# KiCad board netrazr_rev2.kicad_pcb
title: NetRazr Keyboard; rev: 2; note: Split KB for use in NetRazr Cyberdeck.
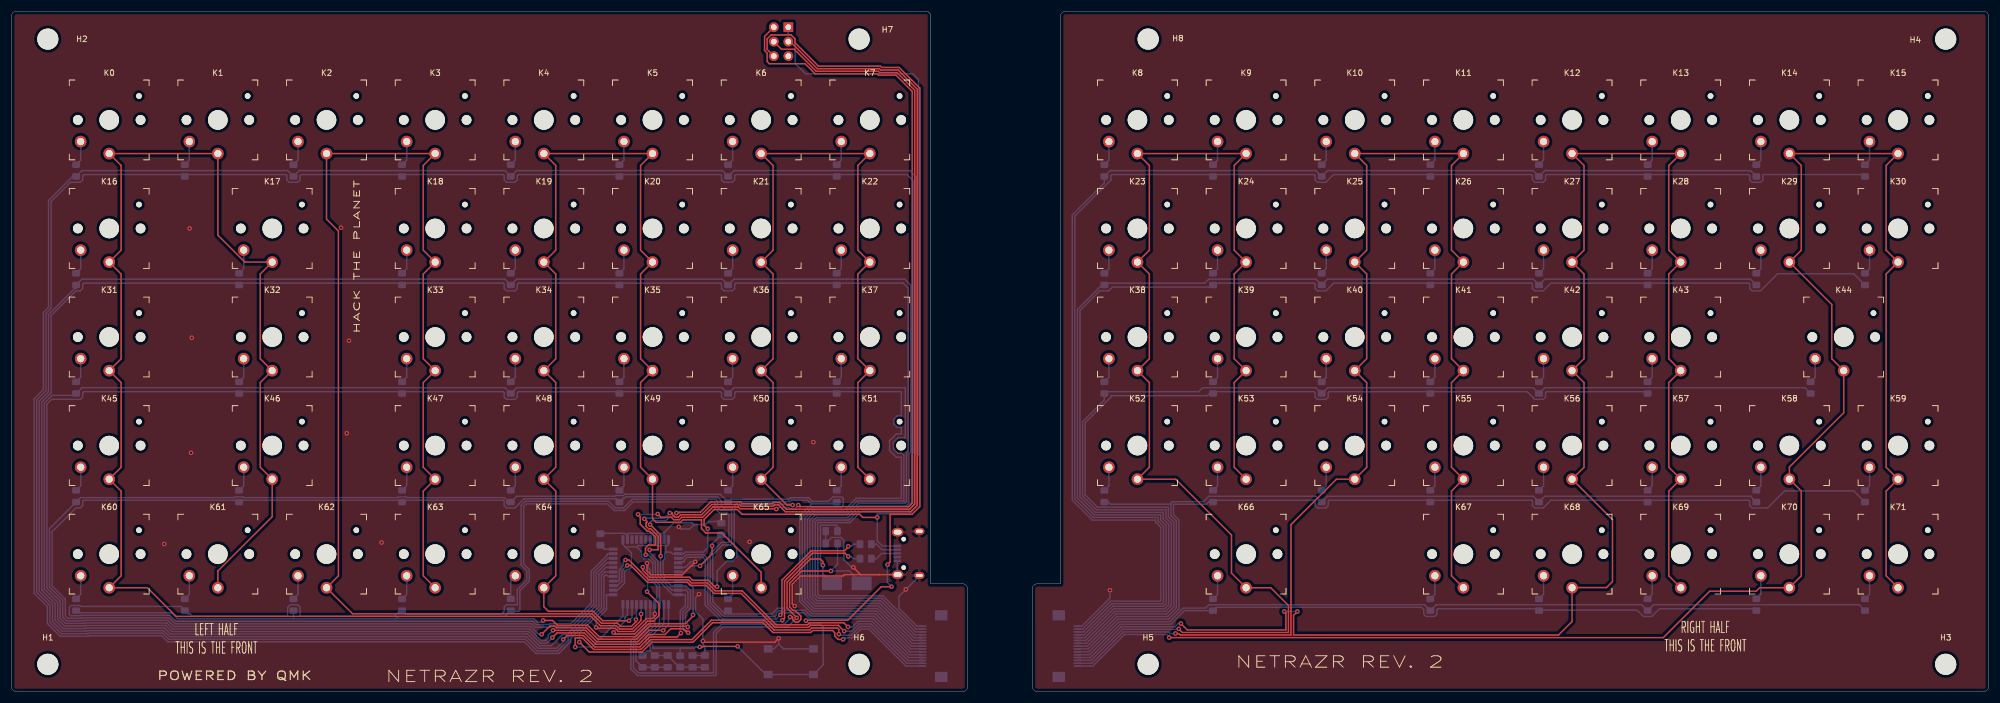
[diagram p0: board, top side]
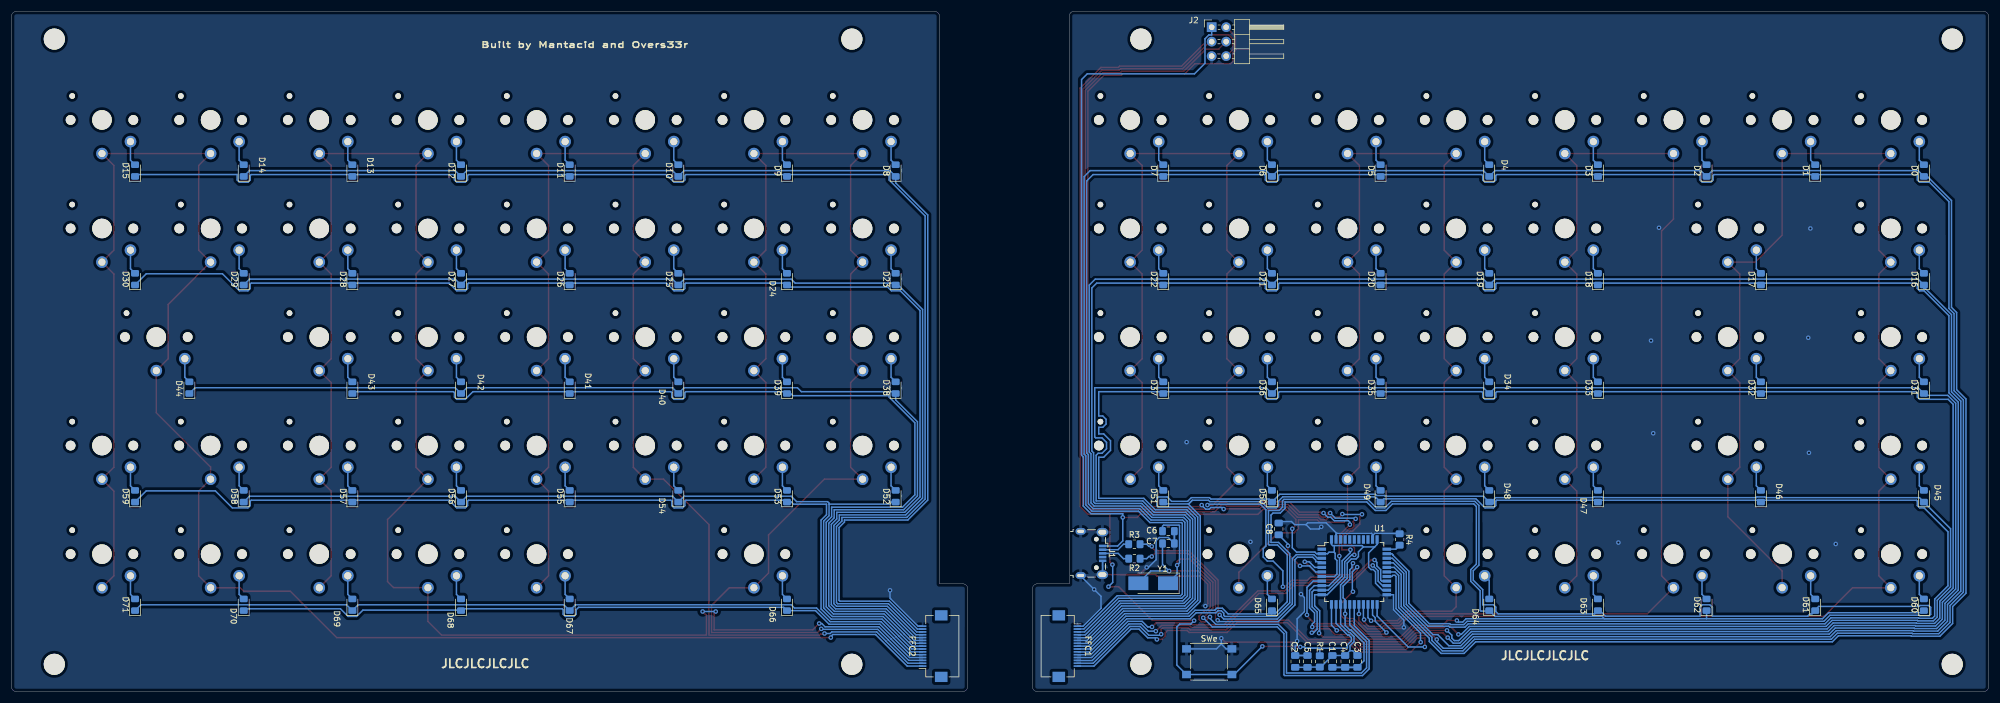
[diagram p1: board, bottom side, seen from below]

Outline 346.64 x 119.38 mm; copper layers: Top, Bottom. Coordinates in mm from the lower left corner of the outline.
Outline path: 0,118.49 0,0.89 arc(0.26,0.26) 0.89,0 166.75,0 arc(167.38,0.26) 167.64,0.89 167.64,18.03 arc(167.38,18.66) 166.75,18.92 161.16,18.92 161.16,118.58 arc(160.93,119.15) 160.37,119.38 0.89,119.38 arc(0.26,119.12) 0,118.49 ; 178.97,18.03 179,0.89 arc(179.26,0.26) 179.89,0 345.75,0 arc(346.38,0.26) 346.64,0.89 346.64,118.49 arc(346.38,119.12) 345.75,119.38 184.81,119.38 arc(184.19,119.12) 183.93,118.49 183.93,18.92 179.86,18.92 arc(179.23,18.66) 178.97,18.03

## Placement (name value [footprint] x y rotation side)
C1  0.1u  [C_0805_2012Metric_Pad1.18x1.45mm_HandSolder]  115.05 5.3 270 bottom
C2  0.1u  [C_0805_2012Metric_Pad1.18x1.45mm_HandSolder]  121.57 5.3 90 bottom
C3  0.1u  [C_0805_2012Metric_Pad1.18x1.45mm_HandSolder]  110.65 5.3 270 bottom
C4  0.1u  [C_0805_2012Metric_Pad1.18x1.45mm_HandSolder]  112.81 5.3 270 bottom
C5  4.7u  [C_0805_2012Metric_Pad1.18x1.45mm_HandSolder]  119.41 5.3 90 bottom
C6  22p  [C_0805_2012Metric_Pad1.18x1.45mm_HandSolder]  143.79 28.16 180 bottom
C7  22p  [C_0805_2012Metric_Pad1.18x1.45mm_HandSolder]  143.79 26 180 bottom
C8  1u  [C_0805_2012Metric_Pad1.18x1.45mm_HandSolder]  124.45 28.55 90 bottom
D0  D  [D_0805_2012Metric_Pad1.15x1.40mm_HandSolder]  11.35 91.44 90 bottom
D1  D  [D_0805_2012Metric_Pad1.15x1.40mm_HandSolder]  30.39 91.44 90 bottom
D2  D  [D_0805_2012Metric_Pad1.15x1.40mm_HandSolder]  49.45 91.44 90 bottom
D3  D  [D_0805_2012Metric_Pad1.15x1.40mm_HandSolder]  68.5 91.44 90 bottom
D4  D  [D_0805_2012Metric_Pad1.15x1.40mm_HandSolder]  87.55 91.44 90 bottom
D5  D  [D_0805_2012Metric_Pad1.15x1.40mm_HandSolder]  106.6 91.44 90 bottom
D6  D  [D_0805_2012Metric_Pad1.15x1.40mm_HandSolder]  125.64 91.44 90 bottom
D7  D  [D_0805_2012Metric_Pad1.15x1.40mm_HandSolder]  144.69 91.44 90 bottom
D8  D  [D_0805_2012Metric_Pad1.15x1.40mm_HandSolder]  191.62 91.44 90 bottom
D9  D  [D_0805_2012Metric_Pad1.15x1.40mm_HandSolder]  210.67 91.44 90 bottom
D10  D  [D_0805_2012Metric_Pad1.15x1.40mm_HandSolder]  229.71 91.44 90 bottom
D11  D  [D_0805_2012Metric_Pad1.15x1.40mm_HandSolder]  248.76 91.44 90 bottom
D12  D  [D_0805_2012Metric_Pad1.15x1.40mm_HandSolder]  267.81 91.44 90 bottom
D13  D  [D_0805_2012Metric_Pad1.15x1.40mm_HandSolder]  286.87 91.44 90 bottom
D14  D  [D_0805_2012Metric_Pad1.15x1.40mm_HandSolder]  305.91 91.44 90 bottom
D15  D  [D_0805_2012Metric_Pad1.15x1.40mm_HandSolder]  324.96 91.44 90 bottom
D16  D  [D_0805_2012Metric_Pad1.15x1.40mm_HandSolder]  11.35 72.39 90 bottom
D17  D  [D_0805_2012Metric_Pad1.15x1.40mm_HandSolder]  39.92 72.39 90 bottom
D18  D  [D_0805_2012Metric_Pad1.15x1.40mm_HandSolder]  68.5 72.39 90 bottom
D19  D  [D_0805_2012Metric_Pad1.15x1.40mm_HandSolder]  87.55 72.39 90 bottom
D20  D  [D_0805_2012Metric_Pad1.15x1.40mm_HandSolder]  106.6 72.39 90 bottom
D21  D  [D_0805_2012Metric_Pad1.15x1.40mm_HandSolder]  125.64 72.39 90 bottom
D22  D  [D_0805_2012Metric_Pad1.15x1.40mm_HandSolder]  144.69 72.39 90 bottom
D23  D  [D_0805_2012Metric_Pad1.15x1.40mm_HandSolder]  191.62 72.39 90 bottom
D24  D  [D_0805_2012Metric_Pad1.15x1.40mm_HandSolder]  210.67 72.39 90 bottom
D25  D  [D_0805_2012Metric_Pad1.15x1.40mm_HandSolder]  229.71 72.39 90 bottom
D26  D  [D_0805_2012Metric_Pad1.15x1.40mm_HandSolder]  248.76 72.39 90 bottom
D27  D  [D_0805_2012Metric_Pad1.15x1.40mm_HandSolder]  267.81 72.39 90 bottom
D28  D  [D_0805_2012Metric_Pad1.15x1.40mm_HandSolder]  286.87 72.39 90 bottom
D29  D  [D_0805_2012Metric_Pad1.15x1.40mm_HandSolder]  305.91 72.39 90 bottom
D30  D  [D_0805_2012Metric_Pad1.15x1.40mm_HandSolder]  324.96 72.39 90 bottom
D31  D  [D_0805_2012Metric_Pad1.15x1.40mm_HandSolder]  11.35 53.34 90 bottom
D32  D  [D_0805_2012Metric_Pad1.15x1.40mm_HandSolder]  39.92 53.34 90 bottom
D33  D  [D_0805_2012Metric_Pad1.15x1.40mm_HandSolder]  68.5 53.34 90 bottom
D34  D  [D_0805_2012Metric_Pad1.15x1.40mm_HandSolder]  87.55 53.34 90 bottom
D35  D  [D_0805_2012Metric_Pad1.15x1.40mm_HandSolder]  106.6 53.34 90 bottom
D36  D  [D_0805_2012Metric_Pad1.15x1.40mm_HandSolder]  125.64 53.34 90 bottom
D37  D  [D_0805_2012Metric_Pad1.15x1.40mm_HandSolder]  144.69 53.34 90 bottom
D38  D  [D_0805_2012Metric_Pad1.15x1.40mm_HandSolder]  191.62 53.34 90 bottom
D39  D  [D_0805_2012Metric_Pad1.15x1.40mm_HandSolder]  210.67 53.34 90 bottom
D40  D  [D_0805_2012Metric_Pad1.15x1.40mm_HandSolder]  229.71 53.34 90 bottom
D41  D  [D_0805_2012Metric_Pad1.15x1.40mm_HandSolder]  248.76 53.34 90 bottom
D42  D  [D_0805_2012Metric_Pad1.15x1.40mm_HandSolder]  267.81 53.34 90 bottom
D43  D  [D_0805_2012Metric_Pad1.15x1.40mm_HandSolder]  286.87 53.34 90 bottom
D44  D  [D_0805_2012Metric_Pad1.15x1.40mm_HandSolder]  315.44 53.34 90 bottom
D45  D  [D_0805_2012Metric_Pad1.15x1.40mm_HandSolder]  11.35 34.29 90 bottom
D46  D  [D_0805_2012Metric_Pad1.15x1.40mm_HandSolder]  39.92 34.29 90 bottom
D47  D  [D_0805_2012Metric_Pad1.15x1.40mm_HandSolder]  68.5 34.29 90 bottom
D48  D  [D_0805_2012Metric_Pad1.15x1.40mm_HandSolder]  87.55 34.29 90 bottom
D49  D  [D_0805_2012Metric_Pad1.15x1.40mm_HandSolder]  106.6 34.29 90 bottom
D50  D  [D_0805_2012Metric_Pad1.15x1.40mm_HandSolder]  125.64 34.29 90 bottom
D51  D  [D_0805_2012Metric_Pad1.15x1.40mm_HandSolder]  144.69 34.29 90 bottom
D52  D  [D_0805_2012Metric_Pad1.15x1.40mm_HandSolder]  191.62 34.29 90 bottom
D53  D  [D_0805_2012Metric_Pad1.15x1.40mm_HandSolder]  210.67 34.29 90 bottom
D54  D  [D_0805_2012Metric_Pad1.15x1.40mm_HandSolder]  229.71 34.29 90 bottom
D55  D  [D_0805_2012Metric_Pad1.15x1.40mm_HandSolder]  248.76 34.29 90 bottom
D56  D  [D_0805_2012Metric_Pad1.15x1.40mm_HandSolder]  267.81 34.29 90 bottom
D57  D  [D_0805_2012Metric_Pad1.15x1.40mm_HandSolder]  286.87 34.29 90 bottom
D58  D  [D_0805_2012Metric_Pad1.15x1.40mm_HandSolder]  305.91 34.29 90 bottom
D59  D  [D_0805_2012Metric_Pad1.15x1.40mm_HandSolder]  324.96 34.29 90 bottom
D60  D  [D_0805_2012Metric_Pad1.15x1.40mm_HandSolder]  11.35 15.24 90 bottom
D61  D  [D_0805_2012Metric_Pad1.15x1.40mm_HandSolder]  30.39 15.24 90 bottom
D62  D  [D_0805_2012Metric_Pad1.15x1.40mm_HandSolder]  49.45 15.24 90 bottom
D63  D  [D_0805_2012Metric_Pad1.15x1.40mm_HandSolder]  68.5 15.24 90 bottom
D64  D  [D_0805_2012Metric_Pad1.15x1.40mm_HandSolder]  87.55 15.24 90 bottom
D65  D  [D_0805_2012Metric_Pad1.15x1.40mm_HandSolder]  125.64 15.24 90 bottom
D66  D  [D_0805_2012Metric_Pad1.15x1.40mm_HandSolder]  210.67 15.24 90 bottom
D67  D  [D_0805_2012Metric_Pad1.15x1.40mm_HandSolder]  248.76 15.24 90 bottom
D68  D  [D_0805_2012Metric_Pad1.15x1.40mm_HandSolder]  267.81 15.24 90 bottom
D69  D  [D_0805_2012Metric_Pad1.15x1.40mm_HandSolder]  286.87 15.24 90 bottom
D70  D  [D_0805_2012Metric_Pad1.15x1.40mm_HandSolder]  305.91 15.24 90 bottom
D71  D  [D_0805_2012Metric_Pad1.15x1.40mm_HandSolder]  324.96 15.24 90 bottom
FFC1  -  [Hirose_FH12-15S-0.5SH_1x15-1MP_P0.50mm_Horizontal]  161.61 7.98 270 bottom
FFC2  -  [Hirose_FH12-15S-0.5SH_1x15-1MP_P0.50mm_Horizontal]  185.03 7.98 90 bottom
H1  MountingHole  [MountingHole_3.7mm]  6.38 4.79 0 top
H2  MountingHole  [MountingHole_3.7mm]  6.38 114.52 0 top
H3  MountingHole  [MountingHole_3.7mm]  339.12 4.79 0 top
H4  MountingHole  [MountingHole_3.7mm]  339.12 114.52 0 top
H5  MountingHole  [MountingHole_3.7mm]  199.29 4.79 0 top
H6  MountingHole  [MountingHole_3.7mm]  148.62 4.79 0 top
H7  MountingHole  [MountingHole_3.7mm]  148.62 114.52 0 top
H8  MountingHole  [MountingHole_3.7mm]  199.29 114.52 0 top
J1  USB_B_Micro  [USB_Micro-B_Wuerth_629105150521]  157.23 24.26 270 bottom
J2  Conn_02x03_Odd_Even  [PinHeader_2x03_P2.54mm_Horizontal]  136.21 116.61 180 bottom
K0  MACRO,,,,,,1  [SW_PG1350_withKeyCap]  17.15 100.33 0 top
K1  ESC  [SW_PG1350_withKeyCap]  36.2 100.33 0 top
K2  ~~,,,,,,,,,`  [SW_PG1350_withKeyCap]  55.25 100.33 0 top
K3  !,,f1,,,,,,,1  [SW_PG1350_withKeyCap]  74.3 100.33 0 top
K4  @,,f2,,,,,,,2  [SW_PG1350_withKeyCap]  93.35 100.33 0 top
K5  #,,f3,,,,,,,3  [SW_PG1350_withKeyCap]  112.39 100.33 0 top
K6  $,,f4,,,,,,,4  [SW_PG1350_withKeyCap]  131.44 100.33 0 top
K7  %,,f5,,,,,,,5  [SW_PG1350_withKeyCap]  150.5 100.33 0 top
K8  ^,,f6,,,,,,,6  [SW_PG1350_withKeyCap]  197.42 100.33 0 top
K9  &,,f7,,,,,,,7  [SW_PG1350_withKeyCap]  216.46 100.33 0 top
K10  *,,f8,,,,,,,8  [SW_PG1350_withKeyCap]  235.51 100.33 0 top
K11  (,,f9,,,,,,,9  [SW_PG1350_withKeyCap]  254.56 100.33 0 top
K12  ),,f10,,,,,,,0  [SW_PG1350_withKeyCap]  273.62 100.33 0 top
K13  _,,f11,,,,,,,-  [SW_PG1350_withKeyCap]  292.66 100.33 0 top
K14  +,,f12,,,,,,,=  [SW_PG1350_withKeyCap]  311.71 100.33 0 top
K15  BKSP  [SW_PG1350_withKeyCap]  330.76 100.33 0 top
K16  MACRO,,,,,,2  [SW_PG1350_withKeyCap]  17.15 81.28 0 top
K17  TAB  [SW_PG1350_withKeyCap]  45.72 81.28 0 top
K18  Q  [SW_PG1350_withKeyCap]  74.3 81.28 0 top
K19  W  [SW_PG1350_withKeyCap]  93.35 81.28 0 top
K20  E  [SW_PG1350_withKeyCap]  112.39 81.28 0 top
K21  R  [SW_PG1350_withKeyCap]  131.44 81.28 0 top
K22  T  [SW_PG1350_withKeyCap]  150.5 81.28 0 top
K23  Y  [SW_PG1350_withKeyCap]  197.42 81.28 0 top
K24  U  [SW_PG1350_withKeyCap]  216.46 81.28 0 top
K25  I  [SW_PG1350_withKeyCap]  235.51 81.28 0 top
K26  O  [SW_PG1350_withKeyCap]  254.56 81.28 0 top
K27  P  [SW_PG1350_withKeyCap]  273.62 81.28 0 top
K28  {,,,,,,,,,[}  [SW_PG1350_withKeyCap]  292.66 81.28 0 top
K29  },,,,,,,,,]  [SW_PG1350_withKeyCap]  311.71 81.28 0 top
K30  |,,,,,,,,,\  [SW_PG1350_withKeyCap]  330.76 81.28 0 top
K31  MACRO,,,,,,3  [SW_PG1350_withKeyCap]  17.15 62.23 0 top
K32  CAPS  [SW_PG1350_withKeyCap]  45.72 62.23 0 top
K33  A  [SW_PG1350_withKeyCap]  74.3 62.23 0 top
K34  S  [SW_PG1350_withKeyCap]  93.35 62.23 0 top
K35  D  [SW_PG1350_withKeyCap]  112.39 62.23 0 top
K36  F  [SW_PG1350_withKeyCap]  131.44 62.23 0 top
K37  G  [SW_PG1350_withKeyCap]  150.5 62.23 0 top
K38  H  [SW_PG1350_withKeyCap]  197.42 62.23 0 top
K39  J  [SW_PG1350_withKeyCap]  216.46 62.23 0 top
K40  K  [SW_PG1350_withKeyCap]  235.51 62.23 0 top
K41  L  [SW_PG1350_withKeyCap]  254.56 62.23 0 top
K42  :,,,,,,,,,;  [SW_PG1350_withKeyCap]  273.62 62.23 0 top
K43  ",,,,,,,,,'  [SW_PG1350_withKeyCap]  292.66 62.23 0 top
K44  ,,ENTER  [SW_PG1350_withKeyCap]  321.24 62.23 0 top
K45  MACRO,,,,,,4  [SW_PG1350_withKeyCap]  17.15 43.18 0 top
K46  LSHIFT  [SW_PG1350_withKeyCap]  45.72 43.18 0 top
K47  Z  [SW_PG1350_withKeyCap]  74.3 43.18 0 top
K48  X  [SW_PG1350_withKeyCap]  93.35 43.18 0 top
K49  C  [SW_PG1350_withKeyCap]  112.39 43.18 0 top
K50  V  [SW_PG1350_withKeyCap]  131.44 43.18 0 top
K51  B  [SW_PG1350_withKeyCap]  150.5 43.18 0 top
K52  N  [SW_PG1350_withKeyCap]  197.42 43.18 0 top
K53  M  [SW_PG1350_withKeyCap]  216.46 43.18 0 top
K54  <,,,,,,,,,,  [SW_PG1350_withKeyCap]  235.51 43.18 0 top
K55  >,,,,,,,,,.  [SW_PG1350_withKeyCap]  254.56 43.18 0 top
K56  ?,,,,,,,,,/  [SW_PG1350_withKeyCap]  273.62 43.18 0 top
K57  RSHIFT  [SW_PG1350_withKeyCap]  292.66 43.18 0 top
K58  UP  [SW_PG1350_withKeyCap]  311.71 43.18 0 top
K59  DEL  [SW_PG1350_withKeyCap]  330.76 43.18 0 top
K60  MACRO,,,,,,5  [SW_PG1350_withKeyCap]  17.15 24.13 0 top
K61  LCTRL  [SW_PG1350_withKeyCap]  36.2 24.13 0 top
K62  FN  [SW_PG1350_withKeyCap]  55.25 24.13 0 top
K63  META  [SW_PG1350_withKeyCap]  74.3 24.13 0 top
K64  LALT  [SW_PG1350_withKeyCap]  93.35 24.13 0 top
K65  LSPACE  [SW_PG1350_withKeyCap]  131.44 24.13 0 top
K66  RSPACE  [SW_PG1350_withKeyCap]  216.46 24.13 0 top
K67  RALT  [SW_PG1350_withKeyCap]  254.56 24.13 0 top
K68  RCTRL  [SW_PG1350_withKeyCap]  273.62 24.13 0 top
K69  LEFT  [SW_PG1350_withKeyCap]  292.66 24.13 0 top
K70  DOWN  [SW_PG1350_withKeyCap]  311.71 24.13 0 top
K71  RIGHT  [SW_PG1350_withKeyCap]  330.76 24.13 0 top
R1  10k  [R_0805_2012Metric_Pad1.20x1.40mm_HandSolder]  117.25 5.3 270 bottom
R2  22R  [R_0805_2012Metric_Pad1.20x1.40mm_HandSolder]  149.76 23.33 0 bottom
R3  22R  [R_0805_2012Metric_Pad1.20x1.40mm_HandSolder]  149.76 25.87 0 bottom
R4  10k  [R_0805_2012Metric_Pad1.20x1.40mm_HandSolder]  103.26 26.7 270 bottom
SWe  Reset_SW  [SW_Push_1P1T_NO_6x6mm_H9.5mm]  136.64 5.25 180 bottom
U1  ATmega32U4-AU  [TQFP-44_10x10mm_P0.8mm]  111.2 21 180 bottom
Y1  Crystal  [Crystal_SMD_5032-2Pin_5.0x3.2mm_HandSoldering]  146.46 19.01 0 bottom

## Footprints (pads in the part's own frame, mm; a bottom-side part is the same pattern mirrored in y, then rotated)
C_0805_2012Metric_Pad1.18x1.45mm_HandSolder
  rrect 1.175x1.45 smd: 1(-1.038,0) 2(1.038,0)
Crystal_SMD_5032-2Pin_5.0x3.2mm_HandSoldering
  rect 3.5x2.4 smd: 1(-2.6,0) 2(2.6,0)
D_0805_2012Metric_Pad1.15x1.40mm_HandSolder
  rrect 1.15x1.4 smd: 1(-1.025,0) 2(1.025,0)
Hirose_FH12-15S-0.5SH_1x15-1MP_P0.50mm_Horizontal
  rect 0.3x1.3 smd: 1(-3.5,1.85) 2(-3,1.85) 3(-2.5,1.85) 4(-2,1.85) 5(-1.5,1.85) 6(-1,1.85) 7(-0.5,1.85) 8(0,1.85) 9(0.5,1.85) 10(1,1.85) 11(1.5,1.85) 12(2,1.85) 13(2.5,1.85) 14(3,1.85) 15(3.5,1.85)
  rect 1.8x2.2 smd: MP(-5.4,-1.4) MP(5.4,-1.4)
MountingHole_3.7mm
  round 3.7 hole 3.7 unplated: (0,0)
PinHeader_2x03_P2.54mm_Horizontal
  rect 1.7x1.7 hole 1: 1(0,0)
  oval 1.7x1.7 hole 1: 2(2.54,0) 3(0,-2.54) 4(2.54,-2.54) 5(0,-5.08) 6(2.54,-5.08)
R_0805_2012Metric_Pad1.20x1.40mm_HandSolder
  rrect 1.2x1.4 smd: 1(-1,0) 2(1,0)
SW_PG1350_withKeyCap
  round 1.702 hole 1.702 unplated: (-5.5,0) (5.5,0)
  round 3.429 hole 3.429 unplated: (0,0)
  round 0.991 hole 0.991 unplated: (5.22,4.2)
  round 2.032 hole 1.27: 1(0,-5.9) 2(-5,-3.8)
SW_Push_1P1T_NO_6x6mm_H9.5mm
  rect 1.55x1.3 smd: 1(-3.975,2.25) 1(3.975,2.25) 2(-3.975,-2.25) 2(3.975,-2.25)
TQFP-44_10x10mm_P0.8mm
  rect 1.5x0.55 smd: 1(-5.7,4) 2(-5.7,3.2) 3(-5.7,2.4) 4(-5.7,1.6) 5(-5.7,0.8) 6(-5.7,0) 7(-5.7,-0.8) 8(-5.7,-1.6) 9(-5.7,-2.4) 10(-5.7,-3.2) 11(-5.7,-4) 23(5.7,-4) 24(5.7,-3.2) 25(5.7,-2.4) 26(5.7,-1.6) 27(5.7,-0.8) 28(5.7,0) 29(5.7,0.8) 30(5.7,1.6) 31(5.7,2.4) 32(5.7,3.2) 33(5.7,4)
  rect 0.55x1.5 smd: 12(-4,-5.7) 13(-3.2,-5.7) 14(-2.4,-5.7) 15(-1.6,-5.7) 16(-0.8,-5.7) 17(0,-5.7) 18(0.8,-5.7) 19(1.6,-5.7) 20(2.4,-5.7) 21(3.2,-5.7) 22(4,-5.7) 34(4,5.7) 35(3.2,5.7) 36(2.4,5.7) 37(1.6,5.7) 38(0.8,5.7) 39(0,5.7) 40(-0.8,5.7) 41(-1.6,5.7) 42(-2.4,5.7) 43(-3.2,5.7) 44(-4,5.7)
USB_Micro-B_Wuerth_629105150521
  oval 0.8x0.8 hole 0.8 unplated: (-2.5,0.8) (2.5,0.8)
  rect 0.45x1.3 smd: 1(-1.3,1.9) 2(-0.65,1.9) 3(0,1.9) 4(0.65,1.9) 5(1.3,1.9)
  oval 1.15x1.8 hole 0.55x1.2: 6(-3.875,-1.95) 6(3.875,-1.95)
  oval 1.45x2 hole 0.85x1.4: 6(-3.725,1.85) 6(3.725,1.85)

## Nets
GND: C1.2 C2.2 C3.2 C4.2 C5.2 C6.2 C7.2 C8.2 FFC1.1 FFC2.15 J1.5 J1.6 J2.5 R4.1 SWe.1 U1.5 U1.15 U1.23 U1.35 U1.43
VCC: C1.1 C2.1 C3.1 C4.1 C5.1 J1.1 J2.1 R1.2 U1.2 U1.7 U1.14 U1.24 U1.34 U1.44
/Col_0: K0.1 K1.1 K16.1 K17.1 K31.1 K32.1 K45.1 K46.1 K60.1 K61.1 U1.18
/Col_1: K2.1 K3.1 K18.1 K33.1 K47.1 K62.1 K63.1 U1.19
/Col_2: K4.1 K5.1 K19.1 K20.1 K34.1 K35.1 K48.1 K49.1 K64.1 K65.1 U1.20
/Col_3: K6.1 K7.1 K21.1 K22.1 K36.1 K37.1 K50.1 K51.1 U1.21
/Col_4: FFC1.13 FFC2.3 K8.1 K9.1 K23.1 K24.1 K38.1 K39.1 K52.1 K53.1 K66.1 U1.25
/Col_5: FFC1.14 FFC2.2 K10.1 K11.1 K25.1 K26.1 K40.1 K41.1 K54.1 K55.1 K67.1 U1.22
/Col_6: FFC1.12 FFC2.4 K12.1 K13.1 K27.1 K28.1 K42.1 K43.1 K56.1 K57.1 K68.1 K69.1 U1.26
/Col_7: FFC1.15 FFC2.1 K14.1 K15.1 K29.1 K30.1 K44.1 K58.1 K59.1 K70.1 K71.1 U1.27
/Reset: J2.6 R1.1 SWe.2 U1.13
/Row_0: D60.1 D62.1 D64.1 D66.1 D68.1 D70.1 FFC1.11 FFC2.5 U1.8
/Row_1: D45.1 D48.1 D50.1 D52.1 D54.1 D56.1 D58.1 FFC1.8 FFC2.8 J2.4 U1.9
/Row_2: D31.1 D34.1 D36.1 D38.1 D40.1 D42.1 D44.1 FFC1.6 FFC2.10 J2.3 U1.10
/Row_3: D16.1 D19.1 D21.1 D23.1 D25.1 D27.1 D29.1 FFC1.4 FFC2.12 J2.2 U1.11
/Row_4: D0.1 D2.1 D4.1 D6.1 D8.1 D10.1 D12.1 D14.1 FFC1.2 FFC2.14 U1.28
/Row_5: D1.1 D3.1 D5.1 D7.1 D9.1 D11.1 D13.1 D15.1 FFC1.3 FFC2.13 U1.29
/Row_6: D17.1 D18.1 D20.1 D22.1 D24.1 D26.1 D28.1 D30.1 FFC1.5 FFC2.11 U1.30
/Row_7: D32.1 D33.1 D35.1 D37.1 D39.1 D41.1 D43.1 FFC1.7 FFC2.9 U1.12
/Row_8: D46.1 D47.1 D49.1 D51.1 D53.1 D55.1 D57.1 D59.1 FFC1.9 FFC2.7 U1.31
/Row_9: D61.1 D63.1 D65.1 D67.1 D69.1 D71.1 FFC1.10 FFC2.6 U1.32
Net-(C6-Pad1): C6.1 U1.17 Y1.1
Net-(C7-Pad1): C7.1 U1.16 Y1.2
Net-(C8-Pad1): C8.1 U1.6
Net-(D0-Pad2): D0.2 K0.2
Net-(D1-Pad2): D1.2 K1.2
Net-(D2-Pad2): D2.2 K2.2
Net-(D3-Pad2): D3.2 K3.2
Net-(D4-Pad2): D4.2 K4.2
Net-(D5-Pad2): D5.2 K5.2
Net-(D6-Pad2): D6.2 K6.2
Net-(D7-Pad2): D7.2 K7.2
Net-(D8-Pad2): D8.2 K8.2
Net-(D9-Pad2): D9.2 K9.2
Net-(D10-Pad2): D10.2 K10.2
Net-(D11-Pad2): D11.2 K11.2
Net-(D12-Pad2): D12.2 K12.2
Net-(D13-Pad2): D13.2 K13.2
Net-(D14-Pad2): D14.2 K14.2
Net-(D15-Pad2): D15.2 K15.2
Net-(D16-Pad2): D16.2 K16.2
Net-(D17-Pad2): D17.2 K17.2
Net-(D18-Pad2): D18.2 K18.2
Net-(D19-Pad2): D19.2 K19.2
Net-(D20-Pad2): D20.2 K20.2
Net-(D21-Pad2): D21.2 K21.2
Net-(D22-Pad2): D22.2 K22.2
Net-(D23-Pad2): D23.2 K23.2
Net-(D24-Pad2): D24.2 K24.2
Net-(D25-Pad2): D25.2 K25.2
Net-(D26-Pad2): D26.2 K26.2
Net-(D27-Pad2): D27.2 K27.2
Net-(D28-Pad2): D28.2 K28.2
Net-(D29-Pad2): D29.2 K29.2
Net-(D30-Pad2): D30.2 K30.2
Net-(D31-Pad2): D31.2 K31.2
Net-(D32-Pad2): D32.2 K32.2
Net-(D33-Pad2): D33.2 K33.2
Net-(D34-Pad2): D34.2 K34.2
Net-(D35-Pad2): D35.2 K35.2
Net-(D36-Pad2): D36.2 K36.2
Net-(D37-Pad2): D37.2 K37.2
Net-(D38-Pad2): D38.2 K38.2
Net-(D39-Pad2): D39.2 K39.2
Net-(D40-Pad2): D40.2 K40.2
Net-(D41-Pad2): D41.2 K41.2
Net-(D42-Pad2): D42.2 K42.2
Net-(D43-Pad2): D43.2 K43.2
Net-(D44-Pad2): D44.2 K44.2
Net-(D45-Pad2): D45.2 K45.2
Net-(D46-Pad2): D46.2 K46.2
Net-(D47-Pad2): D47.2 K47.2
Net-(D48-Pad2): D48.2 K48.2
Net-(D49-Pad2): D49.2 K49.2
Net-(D50-Pad2): D50.2 K50.2
Net-(D51-Pad2): D51.2 K51.2
Net-(D52-Pad2): D52.2 K52.2
Net-(D53-Pad2): D53.2 K53.2
Net-(D54-Pad2): D54.2 K54.2
Net-(D55-Pad2): D55.2 K55.2
Net-(D56-Pad2): D56.2 K56.2
Net-(D57-Pad2): D57.2 K57.2
Net-(D58-Pad2): D58.2 K58.2
Net-(D59-Pad2): D59.2 K59.2
Net-(D60-Pad2): D60.2 K60.2
Net-(D61-Pad2): D61.2 K61.2
Net-(D62-Pad2): D62.2 K62.2
Net-(D63-Pad2): D63.2 K63.2
Net-(D64-Pad2): D64.2 K64.2
Net-(D65-Pad2): D65.2 K65.2
Net-(D66-Pad2): D66.2 K66.2
Net-(D67-Pad2): D67.2 K67.2
Net-(D68-Pad2): D68.2 K68.2
Net-(D69-Pad2): D69.2 K69.2
Net-(D70-Pad2): D70.2 K70.2
Net-(D71-Pad2): D71.2 K71.2
Net-(J1-Pad2): J1.2 R3.2
Net-(J1-Pad3): J1.3 R2.2
Net-(R2-Pad1): R2.1 U1.4
Net-(R3-Pad1): R3.1 U1.3
Net-(R4-Pad2): R4.2 U1.33

Pads without a net: FFC1 MP; FFC2 MP; J1 4; U1 1 36 37 38 39 40 41 42

## Via types
v1: diameter 0.8, hole 0.4, Top to Bottom, 82 vias

## Routing (per net, layer and track width the routed paths; a pad name or vN(x,y) marks a point on that pad's centre or on a via; arc(x,y) is an arc through that point)
GND: length 190.5
  Top w0.25: v1(119.9,22.79) 117.63,20.52 112.11,20.52 111.44,21.19 v1(111.44,22.53) ; v1(134.52,9.36) 133.84,8.68 121.42,8.68 v1(121.23,8.86) ; v1(102.52,11.28) 102.69,11.1 105.87,11.1 106.42,10.55 109.06,10.55 111.34,12.83 112.37,12.83 112.8,13.26 v1(112.8,13.65) ; v1(147.6,21.81) 148.88,20.53 152.18,20.53 ; v1(137.32,15) 136.89,15.43 136.89,18.84 138.34,20.28 145.8,20.28 146.05,20.53 152.18,20.53 ; 152.18,20.53 J1.6
  Bottom w0.25: v1(134.52,9.36) 134.52,8.35 ; 134.52,8.35 135.37,7.5 SWe.1 ; 134.52,8.35 133.68,7.5 SWe.1 ; J1.5 155.33,20.58 J1.6 ; U1.23 104.34,17 104.34,14.37 102.52,12.56 v1(102.52,11.28) ; C5.2 C2.2 121.57,7.97 121.23,8.31 v1(121.23,8.86) 121.23,12.76 119.95,14.04 119.95,16.51 v1(120.55,17.11) ; 103.26,27.72 103.3,27.78 107.62,27.78 108.01,27.39 U1.35 108.01,27.57 108.2,27.78 114.2,27.78 114.41,27.57 U1.43 114.41,27.88 116.15,29.62 119.35,29.62 119.67,29.3 ; J1.6 159.18,20.3 155.61,16.73 155.61,14.63 158.75,11.48 FFC1.1 ; 115.05,4.21 115,4.26 C4.2 C3.2 109.5,5.4 109.5,8.55 111.78,10.82 111.99,10.82 112.8,11.64 v1(112.8,13.65) U1.15 112.8,16.09 113.17,16.45 113.17,18.53 111.99,19.7 111.99,21.37 111.62,21.74 111.62,22.35 v1(111.44,22.53) ; 119.67,29.3 119.66,29.3 118.9,28.54 117.38,28.54 v1(117,28.92) ; 119.67,29.3 121.67,29.3 122.21,29.85 124.18,29.85 124.45,29.57 ; FFC2.15 187.67,11.48 192.6,16.41 v1(192.6,17.78) ; v1(147.6,21.81) 147.29,21.81 145.95,23.15 145.95,26.5 145.41,27.05 143.81,27.05 C7.2 C6.2 ; U1.5 118.13,21.8 119.12,22.79 v1(119.9,22.79)
  vias: v1(26.8,25.91) v1(31.24,81.28) v1(31.5,41.91) v1(31.62,62.1) v1(57.78,81.41) v1(58.8,45.34) v1(59.18,61.59) v1(64.9,26.16) v1(129.41,26.29) v1(140.6,43.78) v1(156.81,17.93)
VCC: length 228.3
  Top w0.25: v1(151.8,30.57) 149.25,30.57 148.72,31.11 128.11,31.11 127.27,31.95 123.17,31.95 121.44,30.22 121.44,29.21 v1(122.08,28.58)
  Bottom w0.25: 114.75,25.62 114.71,25.58 114.71,24.43 ; 114.75,25.62 115.01,25.62 115.2,25.82 U1.44 ; 114.75,25.62 109.84,25.62 109.61,25.4 ; 109.61,25.4 110.48,24.53 110.48,23.7 110.9,23.28 111.74,23.28 112.44,22.57 112.44,19.89 113.62,18.72 113.62,16.19 113.61,16.18 U1.14 113.61,11.8 112.18,10.38 111.97,10.38 111.27,9.67 111.27,8.73 111.97,8.03 111.97,7.18 ; 109.61,25.4 107.63,25.4 ; U1.24 106.26,17.8 107.48,19.02 107.48,21.02 107.88,21.42 108.27,21.42 108.69,21.85 108.69,24.34 107.63,25.4 ; 107.63,25.4 107.2,25.82 U1.34 ; v1(122.08,28.58) 122.08,25.24 121.33,24.49 118.12,24.49 117.83,24.2 U1.2 115.91,24.2 115.63,24.47 114.76,24.47 114.71,24.43 ; U1.7 114.68,20.2 114.24,20.63 114.24,23.01 114.55,23.32 114.55,24.27 114.71,24.43 ; C3.1 111.49,7.18 111.97,7.18 ; 111.97,7.18 C4.1 115,6.34 115.05,6.29 ; 155.33,25.56 152.69,25.56 151.8,26.45 151.8,31.22 157.37,31.22 158.71,32.56 158.71,41.18 159.02,41.49 159.02,107.42 158.02,108.42 139.22,108.42 137.38,110.26 137.38,114.56 136.7,115.25 136.21,115.25 J2.1 ; C1.1 117.08,4.3 R1.2 119.37,4.3 C5.1 C2.1
/Col_0: length 292.2
  Top w0.25: v1(110.39,13.62) 110.39,12.52 108.88,11 106.61,11 106.05,11.55 103.27,11.55 101.61,13.21 28.86,13.21 23.84,18.23 K60.1 19.23,20.32 19.23,35.19 K45.1 19.23,39.37 19.23,54.24 K31.1 19.23,58.42 19.23,73.29 K16.1 19.23,77.47 19.23,92.34 K0.1 K1.1 36.2,80.11 40.92,75.38 K17.1 43.63,73.29 43.63,58.42 K32.1 43.63,54.24 43.63,39.37 K46.1 45.72,30.7 36.2,21.17 K61.1
  Bottom w0.25: v1(110.39,13.62) 110.39,15.29 U1.18